# Altium PCB MB1166.PcbDoc (part 28 of 39)
Units mil, origin at the board's own origin, x right, y up, seen from the top; angles counter-clockwise.
Board outline 5000.99 x 2352.96 mil, 4 copper layers (TOP, L2_GND, L3_VCC, BOTTOM), stack 25.9 mil thick; 35 components, 24 nets, 166 pads, 143 vias.
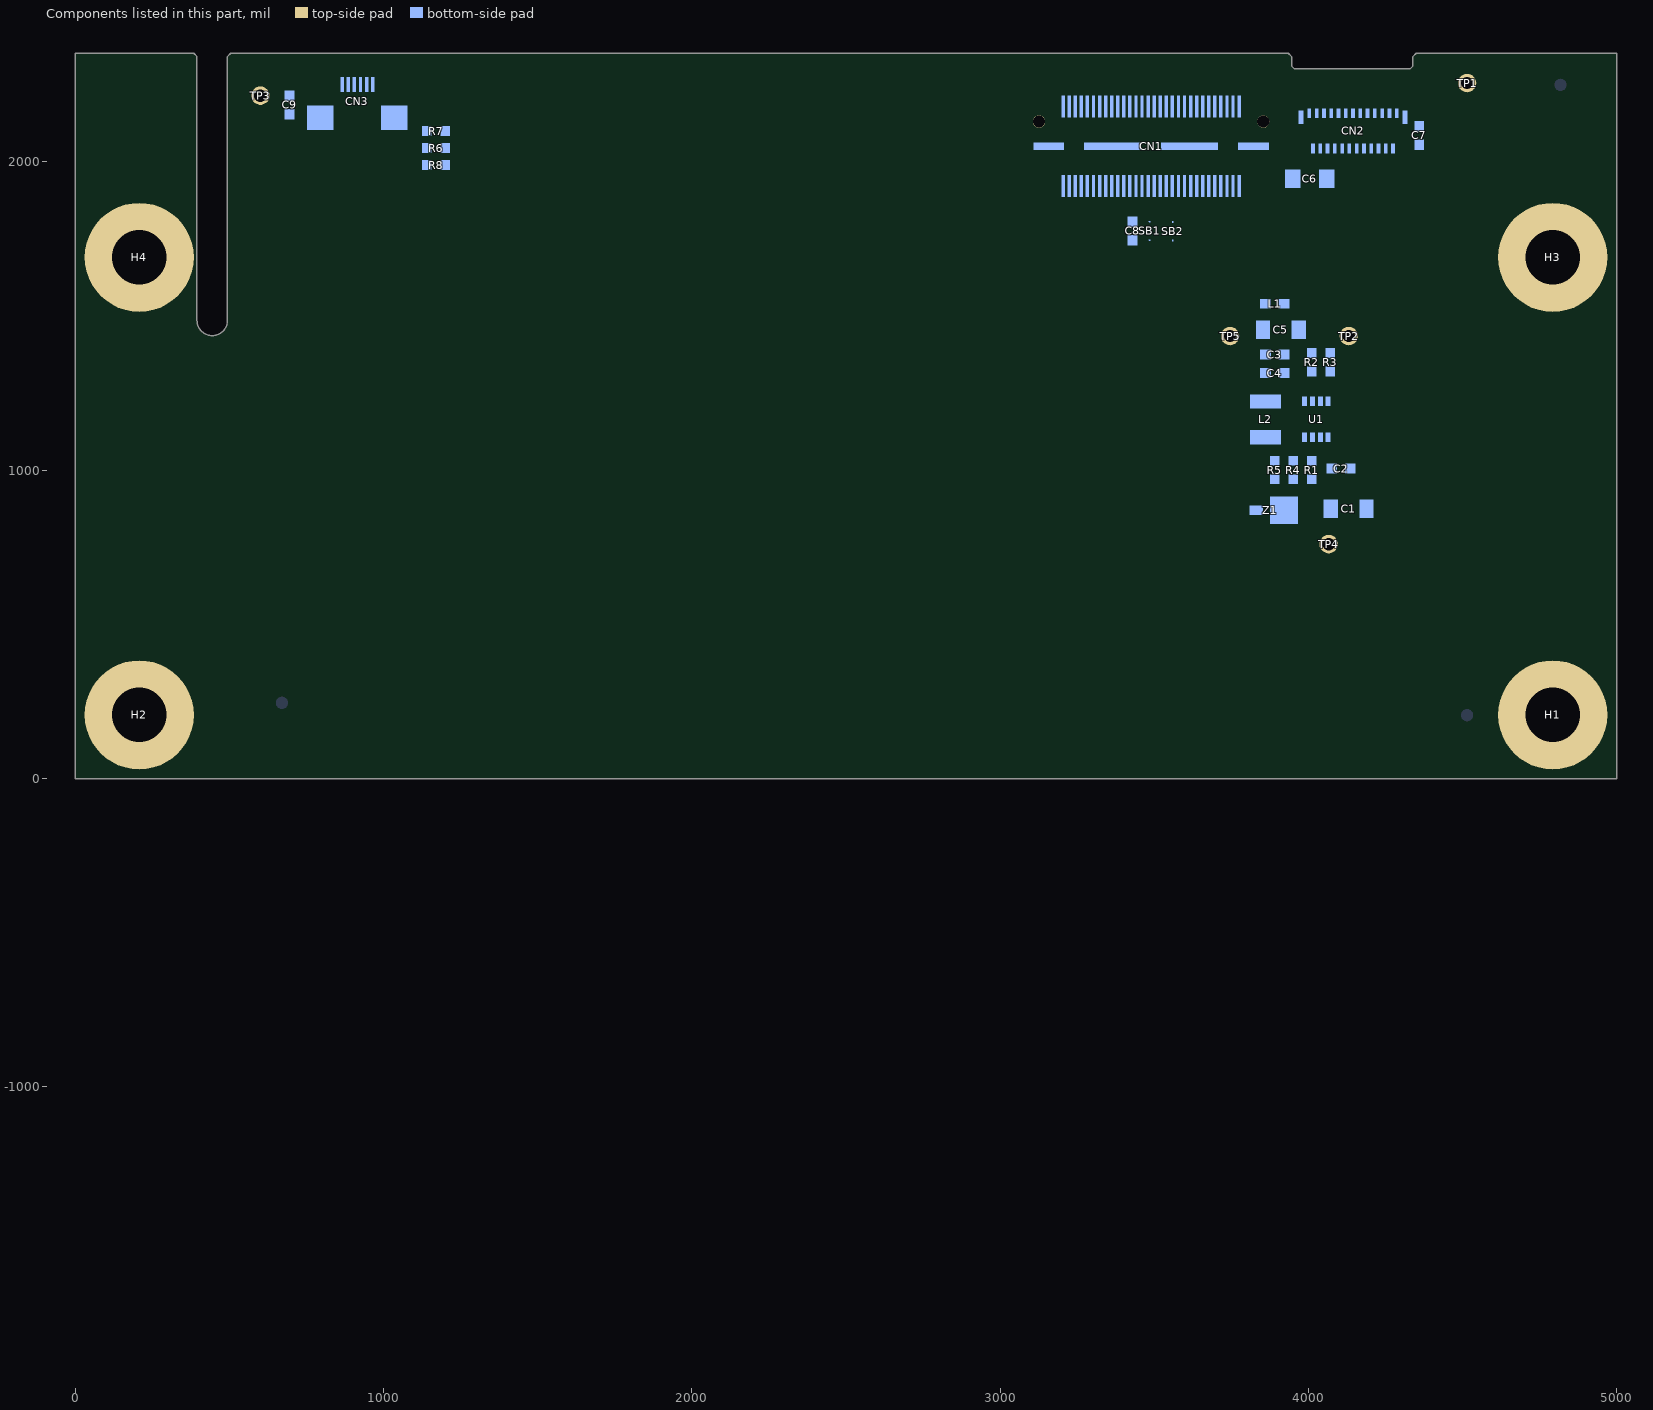
[diagram p30: the components of this part, seen from the top]

## Via types
v1: diameter 24, hole 12, TOP to BOTTOM, 143 vias

## Nets (pads, with @x,y where several pads share a name; then routed paths per layer and width w, separated by ;. In a path a pad name is that pad's centre, name@x,y a point inside that pad or via, vN(x,y) a via of type N, cw(c..) or ccw(c..) an arc to the next point about the centre after c; other vN are vias at no path point) (continued)
copper on no net: (continued)
  BOTTOM w2: 1069.94,-1169.22 1069.98,-1169.02 ; 1070.02,-1201.68 1070.06,-1201.77 ; 1070.02,-1201.68 1070.06,-1201.77 ; 1069.98,-1169.02 1070.01,-1168.93 ; 1069.98,-1169.02 1070.01,-1168.93 ; 1070.01,-1168.93 1070.03,-1168.83 ; 1070.01,-1168.93 1070.03,-1168.83 ; 1070.06,-1201.77 1070.21,-1202.04 ; 1070.06,-1201.77 1070.21,-1202.04 ; 1070.03,-1168.83 1070.06,-1168.73 ; 1070.03,-1168.83 1070.06,-1168.73 ; 1070.06,-1168.73 1070.08,-1168.64 ; 1070.06,-1168.73 1070.08,-1168.64 ; 1070.08,-1168.64 1070.11,-1168.54 ; 1070.08,-1168.64 1070.11,-1168.54 ; 1070.11,-1168.54 1070.13,-1168.44 ; 1070.11,-1168.54 1070.13,-1168.44 ; 1070.13,-1168.44 1070.15,-1168.35 ; 1070.13,-1168.44 1070.15,-1168.35 ; 1070.15,-1168.35 1070.18,-1168.25 ; 1070.15,-1168.35 1070.18,-1168.25 ; 1070.21,-1202.04 1070.25,-1202.12 ; 1070.21,-1202.04 1070.25,-1202.12 ; 1070.18,-1168.25 1070.2,-1168.15 ; 1070.18,-1168.25 1070.2,-1168.15 ; 1070.2,-1168.15 1070.23,-1168.05 ; 1070.2,-1168.15 1070.23,-1168.05 ; 1070.25,-1202.12 1070.4,-1202.39 ; 1070.25,-1202.12 1070.4,-1202.39 ; 1070.23,-1168.05 1070.25,-1167.96 ; 1070.23,-1168.05 1070.25,-1167.96 ; 1070.25,-1167.96 1070.27,-1167.86 ; 1070.25,-1167.96 1070.27,-1167.86 ; 1070.27,-1167.86 1070.3,-1167.76 ; 1070.27,-1167.86 1070.3,-1167.76 ; 1070.3,-1167.76 1070.32,-1167.67 ; 1070.3,-1167.76 1070.32,-1167.67 ; 1070.32,-1167.67 1070.34,-1167.57 ; 1070.32,-1167.67 1070.34,-1167.57 ; 1070.34,-1167.57 1070.37,-1167.47 ; 1070.34,-1167.57 1070.37,-1167.47 ; 1070.37,-1167.47 1070.39,-1167.37 ; 1070.37,-1167.47 1070.39,-1167.37 ; 1070.4,-1202.39 1070.45,-1202.47 ; 1070.4,-1202.39 1070.45,-1202.47 ; 1070.39,-1167.37 1070.41,-1167.28 ; 1070.39,-1167.37 1070.41,-1167.28 ; 1070.41,-1167.28 1070.44,-1167.18 ; 1070.41,-1167.28 1070.44,-1167.18 ; 1070.45,-1202.47 1070.5,-1202.56 ; 1070.45,-1202.47 1070.5,-1202.56 ; 1070.44,-1167.18 1070.46,-1167.08 ; 1070.44,-1167.18 1070.46,-1167.08 ; 1070.46,-1167.08 1070.48,-1166.99 ; 1070.46,-1167.08 1070.48,-1166.99 ; 1070.5,-1202.56 1070.55,-1202.64 ; 1070.5,-1202.56 1070.55,-1202.64 ; 1070.48,-1166.99 1070.51,-1166.89 ; 1070.48,-1166.99 1070.51,-1166.89 ; 1070.51,-1166.89 1070.55,-1166.69 ; 1070.51,-1166.89 1070.55,-1166.69 ; 1070.57,-1202.67 1128.72,-1144.51 1070.57,-1202.67 ; 1070.55,-1202.64 1070.65,-1202.82 ; 1070.55,-1202.64 1070.65,-1202.82 ; 1070.55,-1166.69 1070.58,-1166.6 ; 1070.55,-1166.69 1070.58,-1166.6 ; 1070.58,-1166.6 1070.62,-1166.4 ; 1070.58,-1166.6 1070.62,-1166.4 ; 1070.62,-1166.4 1070.65,-1166.3 ; 1070.62,-1166.4 1070.65,-1166.3 ; 1070.65,-1202.82 1070.7,-1202.9 ; 1070.65,-1202.82 1070.7,-1202.9 ; 1070.65,-1166.3 1070.67,-1166.21 ; 1070.65,-1166.3 1070.67,-1166.21 ; 1070.67,-1166.21 1070.71,-1166.01 ; 1070.67,-1166.21 1070.71,-1166.01 ; 1070.7,-1202.9 1070.76,-1202.99 ; 1070.7,-1202.9 1070.76,-1202.99 ; 1070.71,-1166.01 1070.74,-1165.91 ; 1070.71,-1166.01 1070.74,-1165.91 ; 1070.76,-1202.99 1070.81,-1203.07 ; 1070.76,-1202.99 1070.81,-1203.07 ; 1070.74,-1165.91 1070.76,-1165.82 ; 1070.74,-1165.91 1070.76,-1165.82 ; 1070.76,-1165.82 1070.82,-1165.52 ; 1070.76,-1165.82 1070.82,-1165.52 ; 1070.81,-1203.07 1070.86,-1203.16 ; 1070.81,-1203.07 1070.86,-1203.16 ; 1070.82,-1165.52 1070.85,-1165.43 ; 1070.82,-1165.52 1070.85,-1165.43 ; 1070.86,-1203.16 1070.92,-1203.24 ; 1070.86,-1203.16 1070.92,-1203.24 ; 1070.85,-1165.43 1070.91,-1165.13 ; 1070.85,-1165.43 1070.91,-1165.13 ; 1070.92,-1203.24 1070.97,-1203.33 ; 1070.92,-1203.24 1070.97,-1203.33 ; 1070.91,-1165.13 1070.93,-1165.04 ; 1070.91,-1165.13 1070.93,-1165.04 ; 1070.97,-1203.33 1071.02,-1203.41 ; 1070.97,-1203.33 1071.02,-1203.41 ; 1070.93,-1165.04 1070.96,-1164.94 ; 1070.93,-1165.04 1070.96,-1164.94 ; 1070.96,-1164.94 1071,-1164.74 ; 1070.96,-1164.94 1071,-1164.74 ; 1071.02,-1203.41 1071.08,-1203.49 ; 1071.02,-1203.41 1071.08,-1203.49 ; 1071,-1164.74 1071.02,-1164.65 ; 1071,-1164.74 1071.02,-1164.65 ; 1071.02,-1164.65 1071.08,-1164.35 ; 1071.02,-1164.65 1071.08,-1164.35 ; 1071.08,-1203.49 1071.13,-1203.58 ; 1071.08,-1203.49 1071.13,-1203.58 ; 1071.08,-1164.35 1071.11,-1164.26 ; 1071.08,-1164.35 1071.11,-1164.26 ; 1071.11,-1164.26 1071.19,-1163.86 ; 1071.11,-1164.26 1071.19,-1163.86 ; 1071.13,-1203.58 1071.19,-1203.66 ; 1071.13,-1203.58 1071.19,-1203.66 ; 1071.19,-1203.66 1071.24,-1203.75 ; 1071.19,-1203.66 1071.24,-1203.75 ; 1071.19,-1163.86 1071.21,-1163.77 ; 1071.19,-1163.86 1071.21,-1163.77 ; 1071.21,-1163.77 1071.23,-1163.67 ; 1071.21,-1163.77 1071.23,-1163.67 ; 1071.24,-1203.75 1071.3,-1203.83 ; 1071.24,-1203.75 1071.3,-1203.83 ; 1071.23,-1163.67 1071.26,-1163.57 ; 1071.23,-1163.67 1071.26,-1163.57 ; 1071.26,-1163.57 1071.28,-1163.47 ; 1071.26,-1163.57 1071.28,-1163.47 ; 1071.3,-1203.83 1071.35,-1203.91 ; 1071.3,-1203.83 1071.35,-1203.91 ; 1071.28,-1163.47 1071.3,-1163.38 ; 1071.28,-1163.47 1071.3,-1163.38 ; 1071.3,-1163.38 1071.38,-1162.98 ; 1071.3,-1163.38 1071.38,-1162.98 ; 1071.35,-1203.91 1071.41,-1203.99 ; 1071.35,-1203.91 1071.41,-1203.99 ; 1071.41,-1203.99 1071.47,-1204.08 ; 1071.41,-1203.99 1071.47,-1204.08 ; 1071.38,-1162.98 1071.4,-1162.89 ; 1071.38,-1162.98 1071.4,-1162.89 ; 1071.4,-1162.89 1071.42,-1162.79 ; 1071.4,-1162.89 1071.42,-1162.79 ; 1071.42,-1162.79 1071.45,-1162.69 ; 1071.42,-1162.79 1071.45,-1162.69 ; 1071.47,-1204.08 1071.52,-1204.16 ; 1071.47,-1204.08 1071.52,-1204.16 ; 1071.45,-1162.69 1071.47,-1162.59 ; 1071.45,-1162.69 1071.47,-1162.59 ; 1071.47,-1162.59 1071.49,-1162.5 ; 1071.47,-1162.59 1071.49,-1162.5 ; 1071.52,-1204.16 1071.76,-1204.48 ; 1071.52,-1204.16 1071.76,-1204.48 ; 1071.49,-1162.5 1071.57,-1162.1 ; 1071.49,-1162.5 1071.57,-1162.1 ; 1071.57,-1162.1 1071.59,-1162.01 ; 1071.57,-1162.1 1071.59,-1162.01 ; 1071.59,-1162.01 1071.61,-1161.91 ; 1071.59,-1162.01 1071.61,-1161.91 ; 1071.61,-1161.91 1071.64,-1161.81 ; 1071.61,-1161.91 1071.64,-1161.81 ; 1071.64,-1161.81 1071.66,-1161.71 ; 1071.64,-1161.81 1071.66,-1161.71 ; 1071.66,-1161.71 1071.68,-1161.62 ; 1071.66,-1161.71 1071.68,-1161.62 ; 1071.68,-1161.62 1071.74,-1161.32 ; 1071.68,-1161.62 1071.74,-1161.32 ; 1071.76,-1204.48 1071.81,-1204.57 ; 1071.76,-1204.48 1071.81,-1204.57 ; 1071.74,-1161.32 1071.76,-1161.23 ; 1071.74,-1161.32 1071.76,-1161.23 ; 1071.76,-1161.23 1071.8,-1161.03 ; 1071.76,-1161.23 1071.8,-1161.03 ; 1071.81,-1204.57 1072.71,-1205.77 ; 1071.81,-1204.57 1072.71,-1205.77 ; 1071.8,-1161.03 1071.83,-1160.93 ; 1071.8,-1161.03 1071.83,-1160.93 ; 1071.83,-1160.93 1071.85,-1160.83 ; 1071.83,-1160.93 1071.85,-1160.83 ; 1071.85,-1160.83 1071.87,-1160.74 ; 1071.85,-1160.83 1071.87,-1160.74 ; 1071.87,-1160.74 1071.93,-1160.44 ; 1071.87,-1160.74 1071.93,-1160.44 ; 1071.93,-1160.44 1071.95,-1160.35 ; 1071.93,-1160.44 1071.95,-1160.35 ; 1071.95,-1160.35 1071.98,-1160.25 ; 1071.95,-1160.35 1071.98,-1160.25 ; 1071.98,-1160.25 1072.02,-1160.05 ; 1071.98,-1160.25 1072.02,-1160.05 ; 1072.02,-1160.05 1072.04,-1159.96 ; 1072.02,-1160.05 1072.04,-1159.96 ; 1072.04,-1159.96 1072.08,-1159.76 ; 1072.04,-1159.96 1072.08,-1159.76 ; 1072.08,-1159.76 1072.11,-1159.66 ; 1072.08,-1159.76 1072.11,-1159.66 ; 1072.11,-1159.66 1072.13,-1159.57 ; 1072.11,-1159.66 1072.13,-1159.57 ; 1072.13,-1159.57 1072.19,-1159.27 ; 1072.13,-1159.57 1072.19,-1159.27 ; 1072.19,-1159.27 1072.22,-1159.17 ; 1072.19,-1159.27 1072.22,-1159.17 ; 1072.22,-1159.17 1072.24,-1159.08 ; 1072.22,-1159.17 1072.24,-1159.08 ; 1072.24,-1159.08 1072.3,-1158.78 ; 1072.24,-1159.08 1072.3,-1158.78 ; 1072.3,-1158.78 1072.33,-1158.69 ; 1072.3,-1158.78 1072.33,-1158.69 ; 1072.33,-1158.69 1072.37,-1158.49 ; 1072.33,-1158.69 1072.37,-1158.49 ; 1072.37,-1158.49 1072.4,-1158.4 ; 1072.37,-1158.49 1072.4,-1158.4 ; 1072.4,-1158.4 1072.46,-1158.1 ; 1072.4,-1158.4 1072.46,-1158.1 ; 1072.46,-1158.1 1072.49,-1158.01 ; 1072.46,-1158.12 1123.84,-1106.74 1072.46,-1158.12 ; 1072.46,-1158.1 1072.49,-1158.01 ; 1072.49,-1158.01 1072.53,-1157.81 ; 1072.49,-1158.01 1072.53,-1157.81 ; 1072.53,-1157.81 1072.56,-1157.71 ; 1072.53,-1157.81 1072.56,-1157.71 ; 1072.56,-1157.71 1072.58,-1157.62 ; 1072.56,-1157.71 1072.58,-1157.62 ; 1072.58,-1157.62 1072.6,-1157.52 ; 1072.58,-1157.62 1072.6,-1157.52 ; 1072.6,-1157.52 1072.63,-1157.42 ; 1072.6,-1157.52 1072.63,-1157.42 ; 1072.63,-1157.42 1072.65,-1157.33 ; 1072.63,-1157.42 1072.65,-1157.33 ; 1072.65,-1157.33 1072.67,-1157.23 ; 1072.65,-1157.33 1072.67,-1157.23 ; 1072.67,-1157.23 1072.7,-1157.13 ; 1072.67,-1157.23 1072.7,-1157.13 ; 1072.71,-1205.77 1072.78,-1205.84 ; 1072.71,-1205.77 1072.78,-1205.84 ; 1072.7,-1157.13 1072.72,-1157.03 ; 1072.7,-1157.13 1072.72,-1157.03 ; 1072.72,-1157.03 1072.75,-1156.94 ; 1072.72,-1157.03 1072.75,-1156.94 ; 1072.75,-1156.94 1072.77,-1156.84 ; 1072.75,-1156.94 1072.77,-1156.84 ; 1072.77,-1156.84 1072.8,-1156.74 ; 1072.77,-1156.84 1072.8,-1156.74 ; 1072.78,-1205.84 1073.02,-1206.16 ; 1072.78,-1205.84 1073.02,-1206.16 ; 1072.8,-1156.74 1072.82,-1156.65 ; 1072.8,-1156.74 1072.82,-1156.65 ; 1072.82,-1156.65 1072.84,-1156.55 ; 1072.82,-1156.65 1072.84,-1156.55 ; 1072.84,-1156.55 1072.87,-1156.45 ; 1072.84,-1156.55 1072.87,-1156.45 ; 1072.87,-1156.45 1072.89,-1156.36 ; 1072.87,-1156.45 1072.89,-1156.36 ; 1072.89,-1156.36 1072.92,-1156.26 ; 1072.89,-1156.36 1072.92,-1156.26 ; 1072.92,-1156.26 1072.94,-1156.16 ; 1072.92,-1156.26 1072.94,-1156.16 ; 1072.94,-1156.16 1072.97,-1156.06 ; 1072.94,-1156.16 1072.97,-1156.06 ; 1072.97,-1156.06 1072.99,-1155.97 ; 1072.97,-1156.06 1072.99,-1155.97 ; 1073.02,-1206.16 1073.09,-1206.24 ; 1073.02,-1206.16 1073.09,-1206.24 ; 1072.99,-1155.97 1073.02,-1155.87 ; 1072.99,-1155.97 1073.02,-1155.87 ; 1073.02,-1155.87 1073.04,-1155.77 ; 1073.02,-1155.87 1073.04,-1155.77 ; 1073.04,-1155.77 1073.07,-1155.68 ; 1073.04,-1155.77 1073.07,-1155.68 ; 1073.07,-1155.68 1073.1,-1155.58 ; 1073.07,-1155.68 1073.1,-1155.58 ; 1073.09,-1206.24 1073.15,-1206.32 ; 1073.09,-1206.24 1073.15,-1206.32 ; 1073.1,-1155.58 1073.12,-1155.48 ; 1073.1,-1155.58 1073.12,-1155.48 ; 1073.12,-1155.48 1073.15,-1155.39 ; 1073.12,-1155.48 1073.15,-1155.39 ; 1073.15,-1206.32 1073.21,-1206.39 ; 1073.15,-1206.32 1073.21,-1206.39 ; 1073.15,-1155.39 1073.17,-1155.29 ; 1073.15,-1155.39 1073.17,-1155.29 ; 1073.17,-1155.29 1073.2,-1155.2 ; 1073.17,-1155.29 1073.2,-1155.2 ; 1073.21,-1206.39 1073.27,-1206.47 ; 1073.21,-1206.39 1073.27,-1206.47 ; 1073.2,-1155.2 1073.23,-1155.1 ; 1073.2,-1155.2 1073.23,-1155.1 ; 1073.27,-1206.47 1073.34,-1206.55 ; 1073.27,-1206.47 1073.34,-1206.55 ; 1073.23,-1155.1 1073.25,-1155 ; 1073.23,-1155.1 1073.25,-1155 ; 1073.25,-1155 1073.28,-1154.91 ; 1073.25,-1155 1073.28,-1154.91 ; 1073.28,-1154.91 1073.31,-1154.81 ; 1073.28,-1154.91 1073.31,-1154.81 ; 1073.31,-1154.81 1073.33,-1154.71 ; 1073.31,-1154.81 1073.33,-1154.71 ; 1073.34,-1206.55 1073.4,-1206.63 ; 1073.34,-1206.55 1073.4,-1206.63 ; 1073.33,-1154.71 1073.36,-1154.62 ; 1073.33,-1154.71 1073.36,-1154.62 ; 1073.36,-1154.62 1073.42,-1154.42 ; 1073.36,-1154.62 1073.42,-1154.42 ; 1073.4,-1206.63 1073.46,-1206.7 ; 1073.4,-1206.63 1073.46,-1206.7 ; 1073.42,-1154.42 1073.44,-1154.33 ; 1073.42,-1154.42 1073.44,-1154.33 ; 1073.46,-1206.7 1073.53,-1206.78 ; 1073.46,-1206.7 1073.53,-1206.78 ; 1073.44,-1154.33 1073.47,-1154.23 ; 1073.44,-1154.33 1073.47,-1154.23 ; 1073.47,-1154.23 1073.5,-1154.14 ; 1073.47,-1154.23 1073.5,-1154.14 ; 1073.5,-1154.14 1073.53,-1154.04 ; 1073.5,-1154.14 1073.53,-1154.04 ; 1073.53,-1206.78 1073.65,-1206.94 ; 1073.53,-1206.78 1073.65,-1206.94 ; 1073.53,-1154.04 1073.55,-1153.94 ; 1073.53,-1154.04 1073.55,-1153.94 ; 1073.55,-1153.94 1073.58,-1153.85 ; 1073.55,-1153.94 1073.58,-1153.85 ; 1073.58,-1153.85 1073.61,-1153.75 ; 1073.58,-1153.85 1073.61,-1153.75 ; 1073.61,-1153.75 1073.64,-1153.66 ; 1073.61,-1153.75 1073.64,-1153.66 ; 1073.65,-1206.94 1073.72,-1207.01 ; 1073.65,-1206.94 1073.72,-1207.01 ; 1073.64,-1153.66 1073.67,-1153.56 ; 1073.64,-1153.66 1073.67,-1153.56 ; 1073.67,-1153.56 1073.7,-1153.47 ; 1073.67,-1153.56 1073.7,-1153.47 ; 1073.72,-1207.01 1073.78,-1207.09 ; 1073.72,-1207.01 1073.78,-1207.09 ; 1073.7,-1153.47 1073.76,-1153.27 ; 1073.7,-1153.47 1073.76,-1153.27 ; 1073.76,-1153.27 1073.78,-1153.18 ; 1073.76,-1153.27 1073.78,-1153.18 ; 1073.78,-1207.09 1073.85,-1207.17 ; 1073.78,-1207.09 1073.85,-1207.17 ; 1073.78,-1153.18 1073.81,-1153.08 ; 1073.78,-1153.18 1073.81,-1153.08 ; 1073.81,-1153.08 1073.84,-1152.99 ; 1073.81,-1153.08 1073.84,-1152.99 ; 1073.85,-1207.17 1073.91,-1207.24 ; 1073.85,-1207.17 1073.91,-1207.24 ; 1073.84,-1152.99 1073.87,-1152.89 ; 1073.84,-1152.99 1073.87,-1152.89 ; 1073.87,-1152.89 1073.9,-1152.8 ; 1073.87,-1152.89 1073.9,-1152.8 ; 1073.91,-1207.24 1073.98,-1207.32 ; 1073.91,-1207.24 1073.98,-1207.32 ; 1073.9,-1152.8 1073.93,-1152.7 ; 1073.9,-1152.8 1073.93,-1152.7 ; 1073.93,-1152.7 1073.96,-1152.61 ; 1073.93,-1152.7 1073.96,-1152.61 ; 1073.96,-1152.61 1073.99,-1152.51 ; 1073.96,-1152.61 1073.99,-1152.51 ; 1073.98,-1207.32 1074.04,-1207.39 ; 1073.98,-1207.32 1074.04,-1207.39 ; 1073.99,-1152.51 1074.03,-1152.42 ; 1073.99,-1152.51 1074.03,-1152.42 ; 1074.04,-1207.39 1074.11,-1207.47 ; 1074.04,-1207.39 1074.11,-1207.47 ; 1074.03,-1152.42 1074.06,-1152.32 ; 1074.03,-1152.42 1074.06,-1152.32 ; 1074.06,-1152.32 1074.09,-1152.23 ; 1074.06,-1152.32 1074.09,-1152.23 ; 1074.11,-1207.47 1074.17,-1207.54 ; 1074.11,-1207.47 1074.17,-1207.54 ; 1074.09,-1152.23 1074.12,-1152.13 ; 1074.09,-1152.23 1074.12,-1152.13 ; 1074.12,-1152.13 1074.15,-1152.04 ; 1074.12,-1152.13 1074.15,-1152.04 ; 1074.17,-1207.54 1074.24,-1207.62 ; 1074.17,-1207.54 1074.24,-1207.62 ; 1074.15,-1152.04 1074.18,-1151.94 ; 1074.15,-1152.04 1074.18,-1151.94 ; 1074.18,-1151.94 1074.21,-1151.85 ; 1074.18,-1151.94 1074.21,-1151.85 ; 1074.21,-1151.85 1074.25,-1151.75 ; 1074.21,-1151.85 1074.25,-1151.75 ; 1074.24,-1207.62 1074.31,-1207.69 ; 1074.24,-1207.62 1074.31,-1207.69 ; 1074.25,-1151.75 1074.28,-1151.66 ; 1074.25,-1151.75 1074.28,-1151.66 ; 1074.31,-1207.69 1074.37,-1207.77 ; 1074.31,-1207.69 1074.37,-1207.77 ; 1074.28,-1151.66 1074.31,-1151.56 ; 1074.28,-1151.66 1074.31,-1151.56 ; 1074.31,-1151.56 1074.34,-1151.47 ; 1074.31,-1151.56 1074.34,-1151.47 ; 1074.37,-1207.77 1074.44,-1207.84 ; 1074.37,-1207.77 1074.44,-1207.84 ; 1074.34,-1151.47 1074.37,-1151.37 ; 1074.34,-1151.47 1074.37,-1151.37 ; 1074.37,-1151.37 1074.41,-1151.28 ; 1074.37,-1151.37 1074.41,-1151.28 ; 1074.41,-1151.28 1074.44,-1151.18 ; 1074.41,-1151.28 1074.44,-1151.18 ; 1074.44,-1207.84 1074.51,-1207.92 ; 1074.44,-1207.84 1074.51,-1207.92 ; 1074.44,-1151.18 1074.47,-1151.09 ; 1074.44,-1151.18 1074.47,-1151.09 ; 1074.47,-1151.09 1074.51,-1150.99 ; 1074.47,-1151.09 1074.51,-1150.99 ; 1074.51,-1207.92 1074.57,-1207.99 ; 1074.51,-1207.92 1074.57,-1207.99 ; 1074.51,-1150.99 1074.57,-1150.81 ; 1074.51,-1150.99 1074.57,-1150.81 ; 1074.57,-1207.99 1074.64,-1208.06 ; 1074.57,-1207.99 1074.64,-1208.06 ; 1074.57,-1150.81 1074.61,-1150.71 ; 1074.57,-1150.81 1074.61,-1150.71 ; 1074.61,-1150.71 1074.64,-1150.62 ; 1074.61,-1150.71 1074.64,-1150.62 ; 1074.64,-1208.06 1074.71,-1208.14 ; 1074.64,-1208.06 1074.71,-1208.14 ; 1074.64,-1150.62 1074.68,-1150.52 ; 1074.64,-1150.62 1074.68,-1150.52 ; 1074.71,-1208.14 1074.92,-1208.35 ; 1074.71,-1208.14 1074.92,-1208.35 ; 1074.68,-1150.52 1074.74,-1150.34 ; 1074.68,-1150.52 1074.74,-1150.34 ; 1074.74,-1150.34 1074.78,-1150.24 ; 1074.74,-1150.34 1074.78,-1150.24 ; 1074.78,-1150.24 1074.81,-1150.15 ; 1074.78,-1150.24 1074.81,-1150.15 ; 1074.81,-1150.15 1074.85,-1150.05 ; 1074.81,-1150.15 1074.85,-1150.05 ; 1074.85,-1150.05 1074.88,-1149.96 ; 1074.85,-1150.05 1074.88,-1149.96 ; 1074.92,-1208.35 1074.99,-1208.43 ; 1074.92,-1208.35 1074.99,-1208.43 ; 1074.88,-1149.96 1074.92,-1149.87 ; 1074.88,-1149.96 1074.92,-1149.87 ; 1074.92,-1149.87 1074.95,-1149.77 ; 1074.92,-1149.87 1074.95,-1149.77 ; 1074.95,-1149.77 1074.99,-1149.68 ; 1074.95,-1149.77 1074.99,-1149.68 ; 1074.99,-1208.43 1075.48,-1208.92 ; 1074.99,-1208.43 1075.48,-1208.92 ; 1074.99,-1149.68 1075.02,-1149.59 ; 1074.99,-1149.68 1075.02,-1149.59 ; 1075.02,-1149.59 1075.06,-1149.49 ; 1075.02,-1149.59 1075.06,-1149.49 ; 1075.06,-1149.49 1075.09,-1149.4 ; 1075.06,-1149.49 1075.09,-1149.4 ; 1075.09,-1149.4 1075.13,-1149.31 ; 1075.09,-1149.4 1075.13,-1149.31 ; 1075.13,-1149.31 1075.17,-1149.21 ; 1075.13,-1149.31 1075.17,-1149.21 ; 1075.17,-1149.21 1075.2,-1149.12 ; 1075.17,-1149.21 1075.2,-1149.12 ; 1075.2,-1149.12 1075.24,-1149.03 ; 1075.2,-1149.12 1075.24,-1149.03 ; 1075.24,-1149.03 1075.27,-1148.93 ; 1075.24,-1149.03 1075.27,-1148.93 ; 1075.27,-1148.93 1075.35,-1148.75 ; 1075.27,-1148.93 1075.35,-1148.75 ; 1075.35,-1148.75 1075.38,-1148.65 ; 1075.35,-1148.75 1075.38,-1148.65 ; 1075.38,-1148.65 1075.46,-1148.47 ; 1075.38,-1148.65 1075.46,-1148.47 ; 1075.46,-1148.47 1075.49,-1148.37 ; 1075.46,-1148.47 1075.49,-1148.37 ; 1075.48,-1208.92 1075.56,-1208.99 ; 1075.48,-1208.92 1075.56,-1208.99 ; 1075.49,-1148.37 1075.57,-1148.19 ; 1075.51,-1148.33 1116.98,-1106.86 1075.51,-1148.33 ; 1075.49,-1148.37 1075.57,-1148.19 ; 1075.56,-1208.99 1075.63,-1209.06 ; 1075.56,-1208.99 1075.63,-1209.06 ; 1075.57,-1148.19 1075.6,-1148.1 ; 1075.57,-1148.19 1075.6,-1148.1 ; 1075.6,-1148.1 1075.64,-1148 ; 1075.6,-1148.1 1075.64,-1148 ; 1075.63,-1209.06 1075.7,-1209.12 ; 1075.63,-1209.06 1075.7,-1209.12 ; 1075.64,-1148 1075.72,-1147.82 ; 1075.64,-1148 1075.72,-1147.82 ; 1075.7,-1209.12 1075.78,-1209.19 ; 1075.7,-1209.12 1075.78,-1209.19 ; 1075.72,-1147.82 1075.75,-1147.72 ; 1075.72,-1147.82 1075.75,-1147.72 ; 1075.75,-1147.72 1075.87,-1147.45 ; 1075.75,-1147.72 1075.87,-1147.45 ; 1075.78,-1209.19 1075.92,-1209.33 ; 1075.78,-1209.19 1075.92,-1209.33 ; 1075.87,-1147.45 1075.9,-1147.35 ; 1075.87,-1147.45 1075.9,-1147.35 ; 1075.92,-1209.33 1076,-1209.39 ; 1075.92,-1209.33 1076,-1209.39 ; 1075.9,-1147.35 1076.02,-1147.08 ; 1075.9,-1147.35 1076.02,-1147.08 ; 1076,-1209.39 1076.07,-1209.46 ; 1076,-1209.39 1076.07,-1209.46 ; 1076.02,-1147.08 1076.06,-1146.98 ; 1076.02,-1147.08 1076.06,-1146.98 ; 1076.07,-1209.46 1076.15,-1209.52 ; 1076.07,-1209.46 1076.15,-1209.52 ; 1076.06,-1146.98 1076.09,-1146.89 ; 1076.06,-1146.98 1076.09,-1146.89 ; 1076.09,-1146.89 1076.17,-1146.71 ; 1076.09,-1146.89 1076.17,-1146.71 ; 1076.15,-1209.52 1076.23,-1209.59 ; 1076.15,-1209.52 1076.23,-1209.59 ; 1076.17,-1146.71 1076.21,-1146.61 ; 1076.17,-1146.71 1076.21,-1146.61 ; 1076.21,-1146.61 1076.25,-1146.52 ; 1076.21,-1146.61 1076.25,-1146.52 ; 1076.23,-1209.59 1076.3,-1209.65 ; 1076.23,-1209.59 1076.3,-1209.65 ; 1076.25,-1146.52 1076.28,-1146.43 ; 1076.25,-1146.52 1076.28,-1146.43 ; 1076.3,-1209.65 1076.38,-1209.72 ; 1076.3,-1209.65 1076.38,-1209.72 ; 1076.28,-1146.43 1076.32,-1146.34 ; 1076.28,-1146.43 1076.32,-1146.34 ; 1076.32,-1146.34 1076.36,-1146.24 ; 1076.32,-1146.34 1076.36,-1146.24 ; 1076.36,-1146.24 1076.52,-1145.88 ; 1076.36,-1146.24 1076.52,-1145.88 ; 1076.38,-1209.72 1076.46,-1209.78 ; 1076.38,-1209.72 1076.46,-1209.78 ; 1076.46,-1209.78 1076.53,-1209.84 ; 1076.46,-1209.78 1076.53,-1209.84 ; 1076.52,-1145.88 1076.55,-1145.78 ; 1076.52,-1145.88 1076.55,-1145.78 ; 1076.53,-1209.84 1076.61,-1209.91 ; 1076.53,-1209.84 1076.61,-1209.91 ; 1076.55,-1145.78 1076.67,-1145.51 ; 1076.55,-1145.78 1076.67,-1145.51 ; 1076.61,-1209.91 1077.33,-1210.45 ; 1076.61,-1209.91 1077.33,-1210.45 ; 1076.67,-1145.51 1076.71,-1145.41 ; 1076.67,-1145.51 1076.71,-1145.41 ; 1076.71,-1145.41 1076.79,-1145.23 ; 1076.71,-1145.41 1076.79,-1145.23 ; 1076.79,-1145.23 1076.82,-1145.14 ; 1076.79,-1145.23 1076.82,-1145.14 ; 1076.82,-1145.14 1076.86,-1145.05 ; 1076.82,-1145.14 1076.86,-1145.05 ; 1076.86,-1145.05 1076.9,-1144.95 ; 1076.86,-1145.05 1076.9,-1144.95 ; 1076.9,-1144.95 1077.02,-1144.68 ; 1076.9,-1144.95 1077.02,-1144.68 ; 1077.02,-1144.68 1077.06,-1144.58 ; 1077.02,-1144.68 1077.06,-1144.58 ; 1077.06,-1144.58 1077.1,-1144.49 ; 1077.06,-1144.58 1077.1,-1144.49 ; 1077.1,-1144.49 1077.13,-1144.4 ; 1077.09,-1144.51 1113.98,-1107.61 1077.09,-1144.51 ; 1077.1,-1144.49 1077.13,-1144.4 ; 1077.13,-1144.4 1077.21,-1144.22 ; 1077.13,-1144.4 1077.21,-1144.22 ; 1077.21,-1144.22 1077.25,-1144.12 ; 1077.21,-1144.22 1077.25,-1144.12 ; 1077.25,-1144.12 1077.37,-1143.85 ; 1077.25,-1144.12 1077.37,-1143.85 ; 1077.33,-1210.45 